# Altium PCB HIL_RIG_REV_1_2.PcbDoc (part 2 of 14) (continued)
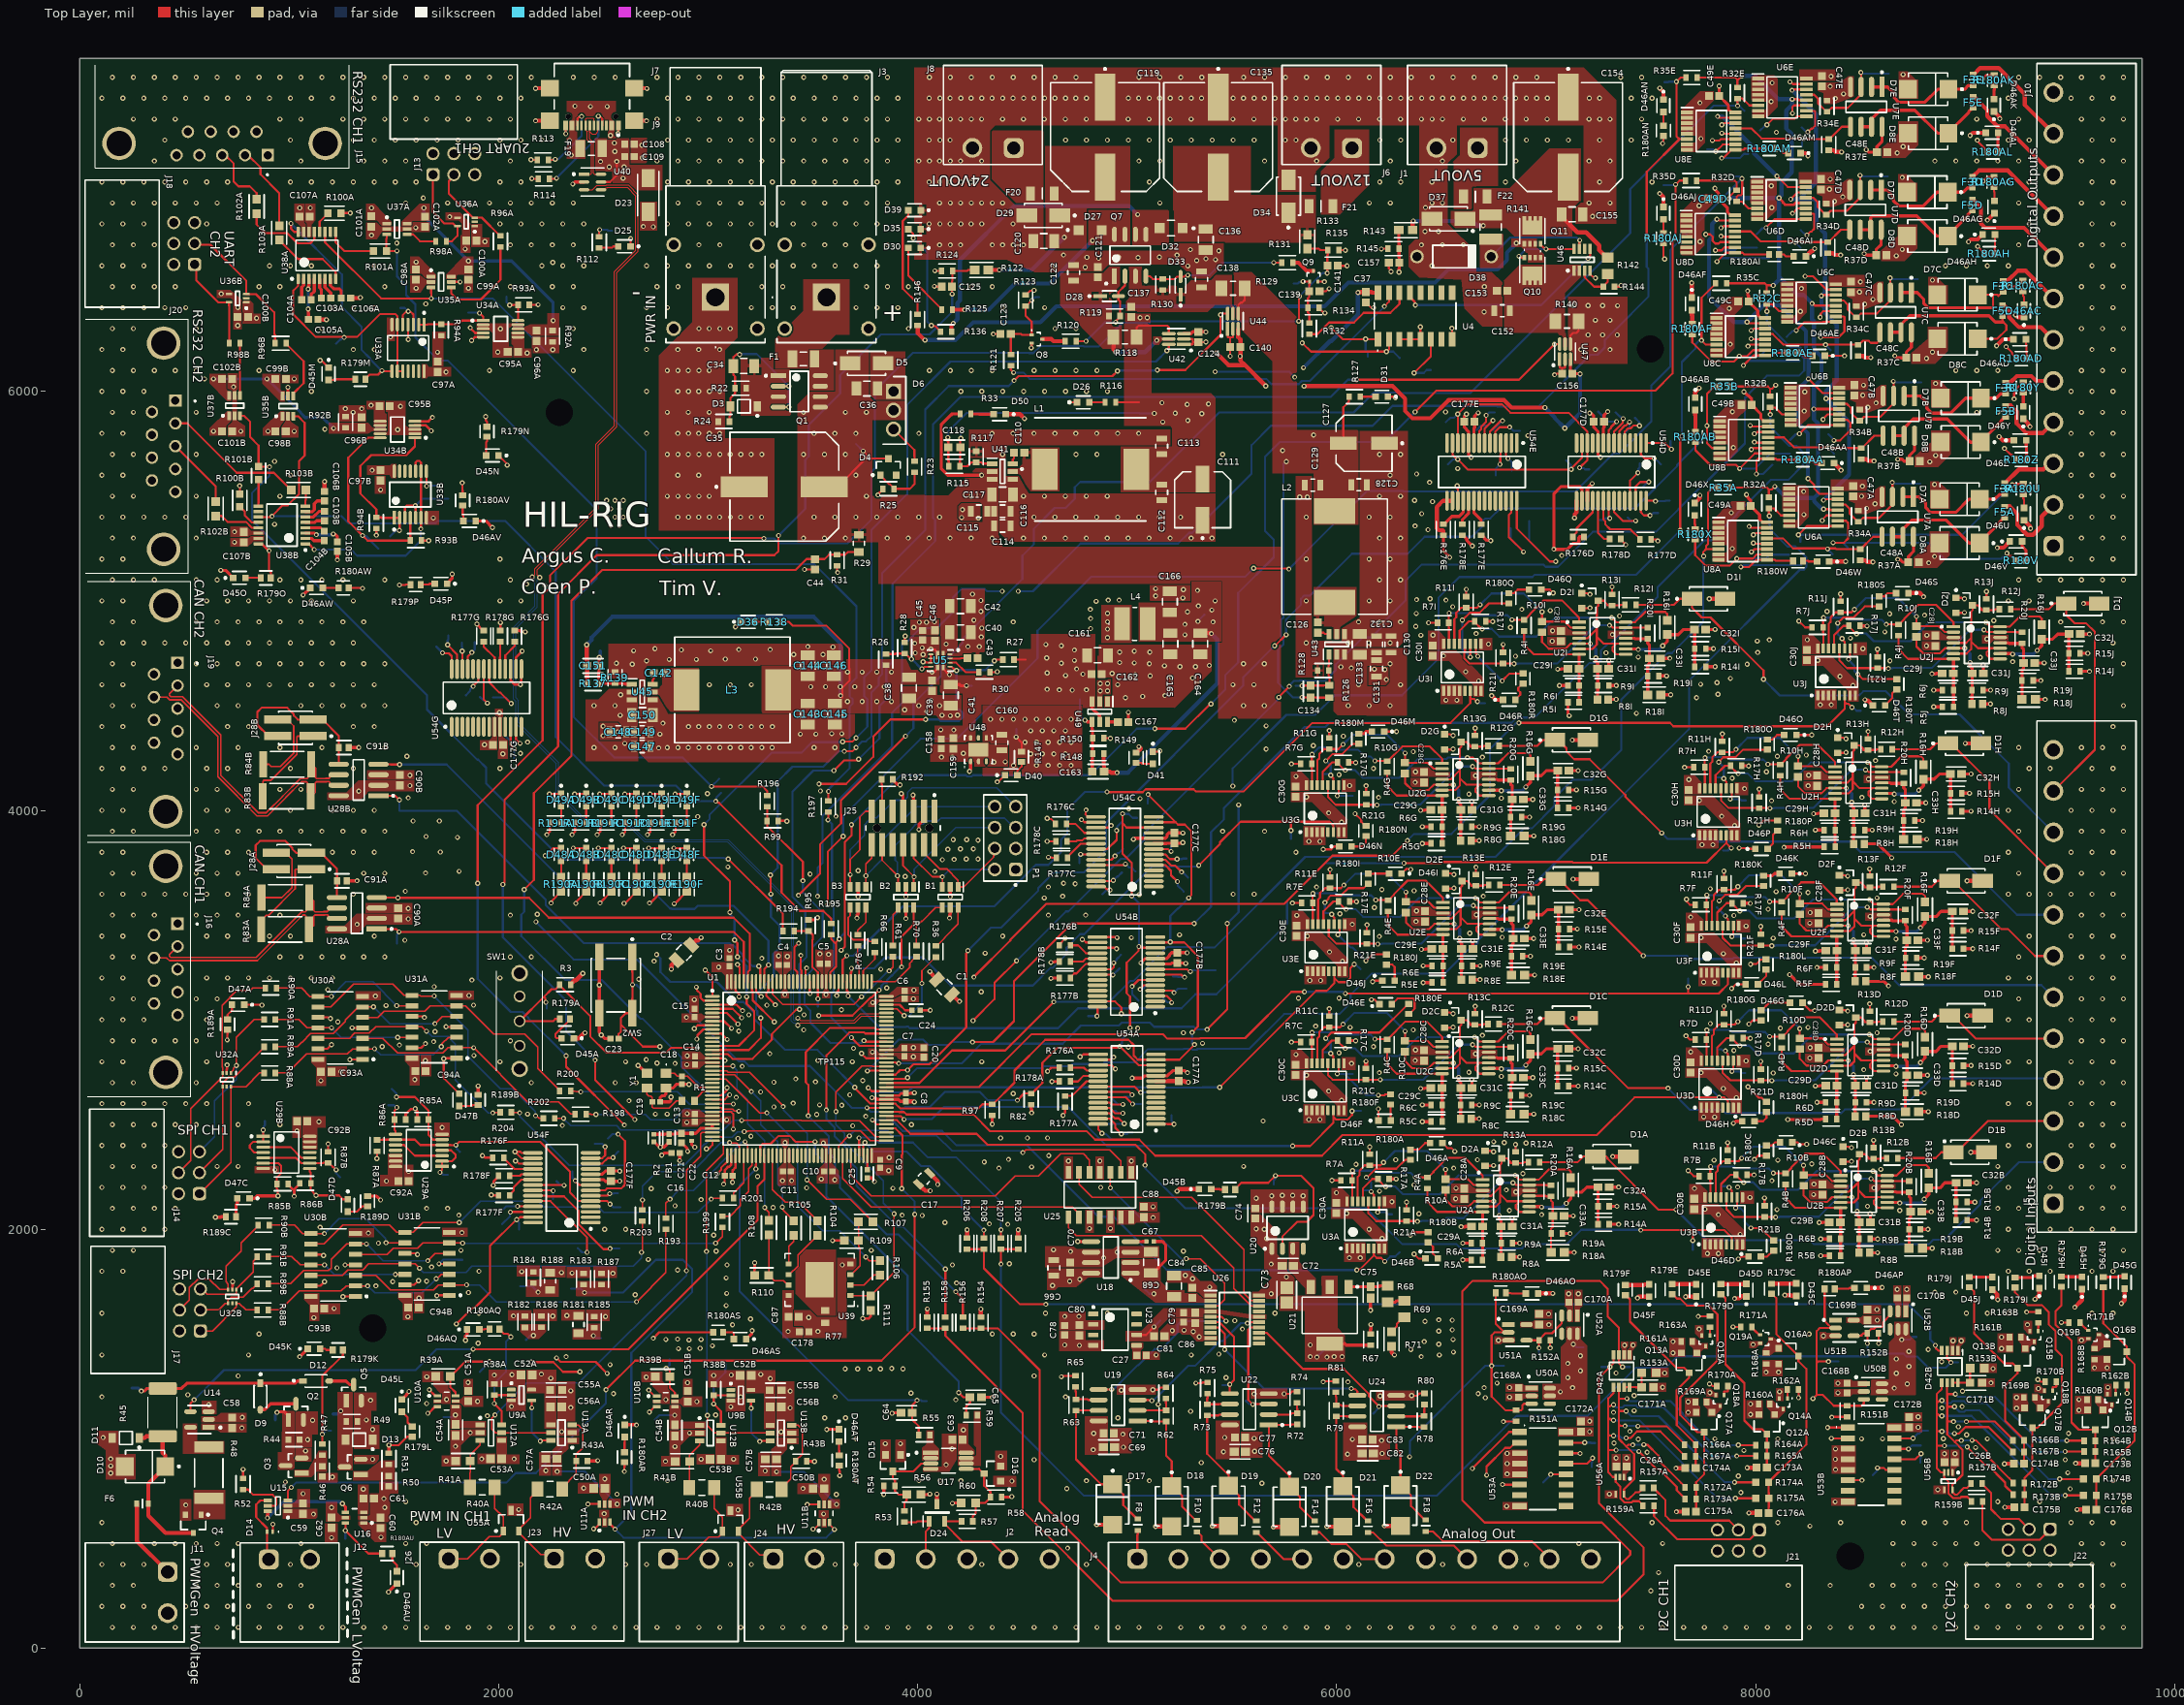
[diagram p0: Top Layer view]
## Components (designator, comment, footprint, x,y, rotation, side; value= is the part's Value field where it differs from the comment) (continued)
D42A "PCA9306DCTT" SOP65P400X130-8N 7359.61,1323.23 r270 top (schematic designator D42)
D42B "PCA9306DCTT" SOP65P400X130-8N 8927.22,1344.23 r270 top (schematic designator D42)
D45A "LTST-C193KGKT-5A" FP-LTST-C193KGKT-5A-MFG 2329.53,2912 r180 top (schematic designator D45)
D45B "LTST-C193KGKT-5A" FP-LTST-C193KGKT-5A-MFG 5371.53,2192 r0 top (schematic designator D45)
D45C "LTST-C193KGKT-5A" FP-LTST-C193KGKT-5A-MFG 8194,1712 r90 top (schematic designator D45)
D45D "LTST-C193KGKT-5A" FP-LTST-C193KGKT-5A-MFG 7956,1709.53 r90 top (schematic designator D45)
D45E "LTST-C193KGKT-5A" FP-LTST-C193KGKT-5A-MFG 7716,1708.47 r90 top (schematic designator D45)
D45F "LTST-C193KGKT-5A" FP-LTST-C193KGKT-5A-MFG 7492,1707.53 r90 top (schematic designator D45)
D45G "LTST-C193KGKT-5A" FP-LTST-C193KGKT-5A-MFG 9762,1746 r90 top (schematic designator D45)
D45H "LTST-C193KGKT-5A" FP-LTST-C193KGKT-5A-MFG 9558,1744 r90 top (schematic designator D45)
D45I "LTST-C193KGKT-5A" FP-LTST-C193KGKT-5A-MFG 9354,1748 r90 top (schematic designator D45)
D45J "LTST-C193KGKT-5A" FP-LTST-C193KGKT-5A-MFG 9130,1742 r90 top (schematic designator D45)
D45K "LTST-C193KGKT-5A" FP-LTST-C193KGKT-5A-MFG 1118,1430 r0 top (schematic designator D45)
D45L "LTST-C193KGKT-5A" FP-LTST-C193KGKT-5A-MFG 1538,1158.47 r270 top (schematic designator D45)
D45M "LTST-C193KGKT-5A" FP-LTST-C193KGKT-5A-MFG 1188,6084 r270 top (schematic designator D45)
D45N "LTST-C193KGKT-5A" FP-LTST-C193KGKT-5A-MFG 1970,5694 r180 top (schematic designator D45)
D45O "LTST-C193KGKT-5A" FP-LTST-C193KGKT-5A-MFG 762,5110 r0 top (schematic designator D45)
D45P "LTST-C193KGKT-5A" FP-LTST-C193KGKT-5A-MFG 1724,5082 r180 top (schematic designator D45)
D46A "LTST-C193KFKT-5A" FP-LTST-C193KGKT-5A-MFG 6475.53,2412 r180 top (schematic designator D46)
D46AA "LTST-C193KFKT-5A" FP-LTST-C193KGKT-5A-MFG 8344.47,5658 r180 top (schematic designator D46)
D46AB "LTST-C193KFKT-5A" FP-LTST-C193KGKT-5A-MFG 7712,5940.47 r270 top (schematic designator D46)
D46AC "LTST-C193KFKT-5A" FP-LTST-C193KGKT-5A-MFG 9280.94,6384.19 r90 top (schematic designator D46)
D46AD "LTST-C193KFKT-5A" FP-LTST-C193KGKT-5A-MFG 9260.61,6248.97 r0 top (schematic designator D46)
D46AE "LTST-C193KFKT-5A" FP-LTST-C193KGKT-5A-MFG 8301.53,6170 r180 top (schematic designator D46)
D46AF "LTST-C193KFKT-5A" FP-LTST-C193KGKT-5A-MFG 7695.79,6417.95 r270 top (schematic designator D46)
D46AG "LTST-C193KFKT-5A" FP-LTST-C193KGKT-5A-MFG 9140.2,6880.51 r90 top (schematic designator D46)
D46AH "LTST-C193KFKT-5A" FP-LTST-C193KGKT-5A-MFG 9113.12,6749.29 r0 top (schematic designator D46)
D46AI "LTST-C193KFKT-5A" FP-LTST-C193KGKT-5A-MFG 8210.98,6645.45 r180 top (schematic designator D46)
D46AJ "LTST-C193KFKT-5A" FP-LTST-C193KGKT-5A-MFG 7560,6851.37 r270 top (schematic designator D46)
D46AK "LTST-C193KFKT-5A" FP-LTST-C193KGKT-5A-MFG 9137.67,7366.05 r90 top (schematic designator D46)
D46AL "LTST-C193KFKT-5A" FP-LTST-C193KGKT-5A-MFG 9128.19,7234.83 r0 top (schematic designator D46)
D46AM "LTST-C193KFKT-5A" FP-LTST-C193KGKT-5A-MFG 8185.53,7138 r180 top (schematic designator D46)
D46AN "LTST-C193KFKT-5A" FP-LTST-C193KGKT-5A-MFG 7560,7363.95 r270 top (schematic designator D46)
D46AO "LTST-C193KFKT-5A" FP-LTST-C193KGKT-5A-MFG 6932.47,1694 r180 top (schematic designator D46)
D46AP "LTST-C193KFKT-5A" FP-LTST-C193KGKT-5A-MFG 8501.53,1720 r180 top (schematic designator D46)
D46AQ "LTST-C193KFKT-5A" FP-LTST-C193KGKT-5A-MFG 1878,1522 r0 top (schematic designator D46)
D46AR "LTST-C193KFKT-5A" FP-LTST-C193KGKT-5A-MFG 2602,1037.53 r270 top (schematic designator D46)
D46AS "LTST-C193KFKT-5A" FP-LTST-C193KGKT-5A-MFG 3152,1476 r180 top (schematic designator D46)
D46AT "LTST-C193KFKT-5A" FP-LTST-C193KGKT-5A-MFG 3624,1016 r270 top (schematic designator D46)
D46AU "LTST-C193KFKT-5A" FP-LTST-C193KGKT-5A-MFG 1514,338 r90 top (schematic designator D46)
D46AV "LTST-C193KFKT-5A" FP-LTST-C193KGKT-5A-MFG 1860.47,5382 r180 top (schematic designator D46)
D46AW "LTST-C193KFKT-5A" FP-LTST-C193KGKT-5A-MFG 1130.47,5062 r0 top (schematic designator D46)
D46B "LTST-C193KFKT-5A" FP-LTST-C193KGKT-5A-MFG 6453.56,1860.75 r0 top (schematic designator D46)
D46C "LTST-C193KFKT-5A" FP-LTST-C193KGKT-5A-MFG 8146,2416 r180 top (schematic designator D46)
D46D "LTST-C193KFKT-5A" FP-LTST-C193KGKT-5A-MFG 7996,1870 r0 top (schematic designator D46)
D46E "LTST-C193KFKT-5A" FP-LTST-C193KGKT-5A-MFG 6233.45,3074.21 r0 top (schematic designator D46)
D46F "LTST-C193KFKT-5A" FP-LTST-C193KGKT-5A-MFG 6228.76,2518.73 r0 top (schematic designator D46)
D46G "LTST-C193KFKT-5A" FP-LTST-C193KGKT-5A-MFG 8194,3082 r180 top (schematic designator D46)
D46H "LTST-C193KFKT-5A" FP-LTST-C193KGKT-5A-MFG 7966,2516 r0 top (schematic designator D46)
D46I "LTST-C193KFKT-5A" FP-LTST-C193KGKT-5A-MFG 6280.47,3698 r180 top (schematic designator D46)
D46J "LTST-C193KFKT-5A" FP-LTST-C193KGKT-5A-MFG 6247.5,3187.05 r0 top (schematic designator D46)
D46K "LTST-C193KFKT-5A" FP-LTST-C193KGKT-5A-MFG 8143.53,3698 r180 top (schematic designator D46)
D46L "LTST-C193KFKT-5A" FP-LTST-C193KGKT-5A-MFG 7982,3170 r0 top (schematic designator D46)
D46M "LTST-C193KFKT-5A" FP-LTST-C193KGKT-5A-MFG 6198,4376 r180 top (schematic designator D46)
D46N "LTST-C193KFKT-5A" FP-LTST-C193KGKT-5A-MFG 6042,3828 r0 top (schematic designator D46)
D46O "LTST-C193KFKT-5A" FP-LTST-C193KGKT-5A-MFG 8166,4360 r180 top (schematic designator D46)
D46P "LTST-C193KFKT-5A" FP-LTST-C193KGKT-5A-MFG 8028,3816 r0 top (schematic designator D46)
D46Q "LTST-C193KFKT-5A" FP-LTST-C193KGKT-5A-MFG 6947.53,5054 r180 top (schematic designator D46)
D46R "LTST-C193KFKT-5A" FP-LTST-C193KGKT-5A-MFG 6823.53,4528 r0 top (schematic designator D46)
D46S "LTST-C193KFKT-5A" FP-LTST-C193KGKT-5A-MFG 8700.55,5037.44 r180 top (schematic designator D46)
D46T "LTST-C193KFKT-5A" FP-LTST-C193KGKT-5A-MFG 8589.09,4501.23 r0 top (schematic designator D46)
D46U "LTST-C193KFKT-5A" FP-LTST-C193KGKT-5A-MFG 9280.94,5414.87 r90 top (schematic designator D46)
D46V "LTST-C193KFKT-5A" FP-LTST-C193KGKT-5A-MFG 9243.08,5283.65 r0 top (schematic designator D46)
D46W "LTST-C193KFKT-5A" FP-LTST-C193KGKT-5A-MFG 8322.47,5188 r180 top (schematic designator D46)
D46X "LTST-C193KFKT-5A" FP-LTST-C193KGKT-5A-MFG 7709.73,5437.49 r270 top (schematic designator D46)
D46Y "LTST-C193KFKT-5A" FP-LTST-C193KGKT-5A-MFG 9278.02,5899.08 r90 top (schematic designator D46)
D46Z "LTST-C193KFKT-5A" FP-LTST-C193KGKT-5A-MFG 9262.24,5766.58 r0 top (schematic designator D46)
D47A "LTST-C193KGKT-5A" FP-LTST-C193KGKT-5A-MFG 756,3072 r180 top (schematic designator D47)
D47B "LTST-C193KGKT-5A" FP-LTST-C193KGKT-5A-MFG 1812,2618 r270 top (schematic designator D47)
D47C "LTST-C193KGKT-5A" FP-LTST-C193KGKT-5A-MFG 782,2148 r180 top (schematic designator D47)
D47D "LTST-C193KGKT-5A" FP-LTST-C193KGKT-5A-MFG 1280,2114 r270 top (schematic designator D47)
D48A "LTST-C193KRKT-5A" FP-LTST-C193KRKT-5A-MFG 2298,3789.53 r270 top (schematic designator D48)
D48B "LTST-C193KRKT-5A" FP-LTST-C193KRKT-5A-MFG 2418,3789.53 r270 top (schematic designator D48)
D48C "LTST-C193KRKT-5A" FP-LTST-C193KRKT-5A-MFG 2538,3789.53 r270 top (schematic designator D48)
D48D "LTST-C193KRKT-5A" FP-LTST-C193KRKT-5A-MFG 2658,3789.53 r270 top (schematic designator D48)
D48E "LTST-C193KRKT-5A" FP-LTST-C193KRKT-5A-MFG 2778,3789.53 r270 top (schematic designator D48)
D48F "LTST-C193KRKT-5A" FP-LTST-C193KRKT-5A-MFG 2898,3789.53 r270 top (schematic designator D48)
D49A "LTST-C193TBKT-5A" FP-LTST-C193TBKT-5A-MFG 2298,4049.53 r270 top (schematic designator D49)
D49B "LTST-C193TBKT-5A" FP-LTST-C193TBKT-5A-MFG 2418,4049.53 r270 top (schematic designator D49)
D49C "LTST-C193TBKT-5A" FP-LTST-C193TBKT-5A-MFG 2538,4049.53 r270 top (schematic designator D49)
D49D "LTST-C193TBKT-5A" FP-LTST-C193TBKT-5A-MFG 2658,4049.53 r270 top (schematic designator D49)
D49E "LTST-C193TBKT-5A" FP-LTST-C193TBKT-5A-MFG 2778,4049.53 r270 top (schematic designator D49)
D49F "LTST-C193TBKT-5A" FP-LTST-C193TBKT-5A-MFG 2898,4049.53 r270 top (schematic designator D49)
D50 "LTST-C193KSKT-5A" FP-LTST-C193KGKT-5A-MFG 4391.44,5891.29 r180 top
F1 "0466002.NRHF" FP-0466-MFG 3455,6155 r0 top value=30mΩ
F3A "0ZCM0001FF2G" FP-0ZCM0001FF2G-MFG#1 9188.87,5536.09 r90 top value=15Ω (schematic designator F3)
F3B "0ZCM0001FF2G" FP-0ZCM0001FF2G-MFG#1 9194.06,6016.53 r90 top value=15Ω (schematic designator F3)
F3C "0ZCM0001FF2G" FP-0ZCM0001FF2G-MFG#1 9182,6502.44 r90 top value=15Ω (schematic designator F3)
F3D "0ZCM0001FF2G" FP-0ZCM0001FF2G-MFG#1 9034.88,6999.81 r90 top value=15Ω (schematic designator F3)
F3E "0ZCM0001FF2G" FP-0ZCM0001FF2G-MFG#1 9038.77,7487.84 r90 top value=15Ω (schematic designator F3)
F5A "0ZCM0001FF2G" FP-0ZCM0001FF2G-MFG#1 9188.87,5424.14 r90 top value=15Ω (schematic designator F5)
F5B "0ZCM0001FF2G" FP-0ZCM0001FF2G-MFG#1 9194.06,5905.11 r90 top value=15Ω (schematic designator F5)
F5C "0ZCM0001FF2G" FP-0ZCM0001FF2G-MFG#1 9178.88,6385.54 r90 top value=15Ω (schematic designator F5)
F5D "0ZCM0001FF2G" FP-0ZCM0001FF2G-MFG#1 9034.88,6890 r90 top value=15Ω (schematic designator F5)
F5E "0ZCM0001FF2G" FP-0ZCM0001FF2G-MFG#1 9038.77,7379.54 r90 top value=15Ω (schematic designator F5)
F6 "0ZCM0001FF2G" FP-0ZCM0001FF2G-MFG#2 300,690 r180 top value=15Ω
F8 "0ZCM0001FF2G" FP-0ZCM0001FF2G-MFG#1 5051,590.2 r270 top value=15Ω
F10 "0ZCM0001FF2G" FP-0ZCM0001FF2G-MFG#1 5333,582.2 r270 top value=15Ω
F12 "0ZCM0001FF2G" FP-0ZCM0001FF2G-MFG#1 5616,580 r270 top value=15Ω
F14 "0ZCM0001FF2G" FP-0ZCM0001FF2G-MFG#1 5895,581.2 r270 top value=15Ω
F16 "0ZCM0001FF2G" FP-0ZCM0001FF2G-MFG#1 6150,581.08 r270 top value=15Ω
F18 "0ZCM0001FF2G" FP-0ZCM0001FF2G-MFG#1 6425,585.2 r270 top value=15Ω
F19 "0466001.NRHF" FP-0466-MFG 2442,7160 r0 top
F20 "SF-1206FP150-2" FUSC3116X70N 4595,6945 r180 top
F21 "SF-1206FP150-2" FUSC3116X70N 5926,6884 r0 top
F22 "SF-1206FP150-2" FUSC3116X70N 6662,6930 r180 top
FB1 "BLM15AG121SH1D" FP-BLM15-0_05-IPC_A 2813.07,2435.95 r270 top
J1 "691313710002" 691313710002 6575,7320 r180 top
J2 "691313710005" 691313710005 4236,268.52 r0 top locked
J3 "FCR7350R" FCR7350R 3565,6449.61 r270 top
J4 "691313710012" 691313710012 6131.02,268.52 r0 top locked
J5 "691313710012" 691313710012 9579.48,3206.43 r90 top locked
J6 "691313710002" 691313710002 5975,7320 r180 top
J7 "FCR7350B" FCR7350B 3035,6449.61 r270 top
J8 "691313710002" 691313710002 4359.53,7320 r180 top
J9 "USB4110-GF-A" FP-USB4110-GF-A-MFG 2445,7415 r180 top
J10 "691313710012" 691313710012 9579.48,6345.02 r90 top locked
J11 "691313710002" 691313710002 262.52,266.43 r270 top locked
J12 "691313710002" 691313710002 1001.57,266.52 r0 top locked
J13 "61200621721" 61200621721 1786,7382 r180 top locked
J14 "61200621721" 61200621721 225,2270 r270 top
J15 "A-DS_09_A_KG-T2S" ASSMANN_A-DS_09_A_KG-T2S 680.07,7184 r180 top locked
J16 "A-DS_09_A_KG-T2S" ASSMANN_A-DS_09_A_KG-T2S 410.91,3241.42 r270 top
J17 "61200621721" 61200621721 230,1615 r270 top
J18 "61200621721" 61200621721 202,6706 r270 top locked
J19 "A-DS_09_A_KG-T2S" ASSMANN_A-DS_09_A_KG-T2S 410.91,4486.42 r270 top
J20 "A-DS_09_A_KG-T2S" ASSMANN_A-DS_09_A_KG-T2S 400.91,5738.58 r270 top
J21 "61200621721" 61200621721 7918,218 r0 top
J22 "61200621721" 61200621721 9306,221.35 r0 top
J23 "691313710002" 691313710002 2362.43,270.52 r0 top locked
J24 "691313710002" 691313710002 3409.69,269.04 r0 top locked
J25 "FTSH-107-01-L-DV-K-A" FP-FTSH-107-01-L-DV-K-A-MFG 3930.4,3915.64 r180 top
J26 "691313710002" 691313710002 1860,270 r0 top locked
J27 "691313710002" 691313710002 2907.26,268.52 r0 top locked
J28A "TMM-102-01-T-D-SM" FP-TMM-102-01-T-D-SM-MFG 1022.15,3758 r90 top (schematic designator J28)
J28B "TMM-102-01-T-D-SM" FP-TMM-102-01-T-D-SM-MFG 1030.15,4394 r90 top (schematic designator J28)
L1 "SRP1265A-330M" SRP1265A 4825,5628 r0 top
L2 "SRP1265A-220M" FP-SRP1265A-MFG 5990.47,5211.1 r90 top value=22µH
L3 "SRP1265A-220M" FP-SRP1265A-MFG 3115.39,4575 r0 top value=22µH
L4 "VLS4015CX-4R7M-H" VLS4015CX100MH 5037.51,4890.4 r0 top
P1 "61300821121" 61300821121 4418,3868 r90 top
Q1 "SI4948BEY-T1-E3" FP-C-06527-IPC_B 3435,6000 r0 top
Q2 "DMP3099L-7" FP-SOT23-IPC_A 1031.98,1128.45 r90 top
Q3 "MMBT3904-7-F" FP-SOT23-IPC_A 1021.55,872.02 r180 top
Q4 "BSS316NH6327XTSA1" INF-PG-SOT23_L 542,594 r270 top
Q5 "DMP3099L-7" FP-SOT23-IPC_A 1307.98,1220.45 r90 top
Q6 "MMBT3904-7-F" FP-SOT23-IPC_A 1303.55,866.02 r180 top
Q7 "SI4948BEY-T1-E3" FP-C-06527-IPC_B 5014.53,6650 r90 top
Q8 "MMBT3904TT1G" ONSC-SC-75-3-463-01_V 4570,6250 r0 top
Q9 "MMBT3904TT1G" ONSC-SC-75-3-463-01_V 5890,6550 r90 top
Q10 "DMT69M8LFV-7" DMP3036SFV7 6934.53,6580 r180 top
Q11 "DMT69M8LFV-7" DMP3036SFV7 6934.53,6765 r0 top
Q12A "AO3401A" AO-SOT-23-3L_V 8054,1069.24 r270 top (schematic designator Q12)
Q12B "AO3401A" AO-SOT-23-3L_V 9621.6,1090.24 r270 top (schematic designator Q12)
Q13A "AO3401A" AO-SOT-23-3L_V 7682.6,1362.76 r270 top (schematic designator Q13)
Q13B "AO3401A" AO-SOT-23-3L_V 9250.2,1383.76 r270 top (schematic designator Q13)
Q14A "MMBT3904TT1G" ONSC-SC-75-3-463-01_V 8132,1167.49 r270 top (schematic designator Q14)
Q14B "MMBT3904TT1G" ONSC-SC-75-3-463-01_V 9699.6,1188.49 r270 top (schematic designator Q14)
Q15A "MMBT3904TT1G" ONSC-SC-75-3-463-01_V 7762,1467.49 r270 top (schematic designator Q15)
Q15B "MMBT3904TT1G" ONSC-SC-75-3-463-01_V 9329.6,1488.49 r270 top (schematic designator Q15)
Q16A "AO3401A" AO-SOT-23-3L_V 8157.24,1394.6 r0 top (schematic designator Q16)
Q16B "AO3401A" AO-SOT-23-3L_V 9724.85,1415.6 r0 top (schematic designator Q16)
Q17A "AO3401A" AO-SOT-23-3L_V 7754,1079.24 r270 top (schematic designator Q17)
Q17B "AO3401A" AO-SOT-23-3L_V 9321.6,1100.24 r270 top (schematic designator Q17)
Q18A "MMBT3904TT1G" ONSC-SC-75-3-463-01_V 7830.32,1182.51 r270 top (schematic designator Q18)
Q18B "MMBT3904TT1G" ONSC-SC-75-3-463-01_V 9397.92,1203.51 r270 top (schematic designator Q18)
Q19A "MMBT3904TT1G" ONSC-SC-75-3-463-01_V 8046.51,1476 r0 top (schematic designator Q19)
Q19B "MMBT3904TT1G" ONSC-SC-75-3-463-01_V 9614.11,1497 r0 top (schematic designator Q19)
R1 "Resistor 0R +/- 5% 0603 100 mW" RESC1608X55X25ML10T15 2905.07,2613.95 r0 top value=0
R2 "MCS04020Z0000ZE000" FP-MCS0402-IPC_B 2741.07,2435.95 r270 top value=0
R3 "RT0603BRD0710KL" FP-RT0603-IPC_C 2317.09,3168.01 r180 top value=10k
R4A "RT0603BRE07300KL" FP-RT0603-IPC_C 6434,2220.82 r90 top value=300k (schematic designator R4)
R4B "RT0603BRE07300KL" FP-RT0603-IPC_C 8143,2240.82 r90 top value=300k (schematic designator R4)
R4C "RT0603BRE07300KL" FP-RT0603-IPC_C 6241,2880.82 r90 top value=300k (schematic designator R4)
R4D "RT0603BRE07300KL" FP-RT0603-IPC_C 8125,2892.82 r90 top value=300k (schematic designator R4)
R4E "RT0603BRE07300KL" FP-RT0603-IPC_C 6245,3544.82 r90 top value=300k (schematic designator R4)
R4F "RT0603BRE07300KL" FP-RT0603-IPC_C 8125,3536.82 r90 top value=300k (schematic designator R4)
R4G "RT0603BRE07300KL" FP-RT0603-IPC_C 6241,4208.82 r90 top value=300k (schematic designator R4)
R4H "RT0603BRE07300KL" FP-RT0603-IPC_C 8117,4192.82 r90 top value=300k (schematic designator R4)
R4I "RT0603BRE07300KL" FP-RT0603-IPC_C 6895,4882.82 r90 top value=300k (schematic designator R4)
R4J "RT0603BRE07300KL" FP-RT0603-IPC_C 8682,4860.82 r90 top value=300k (schematic designator R4)
R5A "RT0603BRD07240KL" FP-RT0603-IPC_C 6670.13,1854 r0 top value=240k (schematic designator R5)
R5B "RT0603BRD07240KL" FP-RT0603-IPC_C 8379.13,1874 r0 top value=240k (schematic designator R5)
R5C "RT0603BRD07240KL" FP-RT0603-IPC_C 6477.13,2514 r0 top value=240k (schematic designator R5)
R5D "RT0603BRD07240KL" FP-RT0603-IPC_C 8361.13,2526 r0 top value=240k (schematic designator R5)
R5E "RT0603BRD07240KL" FP-RT0603-IPC_C 6481.13,3178 r0 top value=240k (schematic designator R5)
R5F "RT0603BRD07240KL" FP-RT0603-IPC_C 8361.13,3170 r0 top value=240k (schematic designator R5)
R5G "RT0603BRD07240KL" FP-RT0603-IPC_C 6477.13,3842 r0 top value=240k (schematic designator R5)
R5H "RT0603BRD07240KL" FP-RT0603-IPC_C 8353.13,3826 r0 top value=240k (schematic designator R5)
R5I "RT0603BRD07240KL" FP-RT0603-IPC_C 7131.13,4516 r0 top value=240k (schematic designator R5)
R5J "RT0603BRD07240KL" FP-RT0603-IPC_C 8918.13,4494 r0 top value=240k (schematic designator R5)
R6A "RT0603BRD079K1L" FP-RT0603-IPC_C 6670.13,1934 r0 top value=9.1k (schematic designator R6)
R6B "RT0603BRD079K1L" FP-RT0603-IPC_C 8379.13,1954 r0 top value=9.1k (schematic designator R6)
R6C "RT0603BRD079K1L" FP-RT0603-IPC_C 6477.13,2594 r0 top value=9.1k (schematic designator R6)
R6D "RT0603BRD079K1L" FP-RT0603-IPC_C 8361.13,2606 r0 top value=9.1k (schematic designator R6)
R6E "RT0603BRD079K1L" FP-RT0603-IPC_C 6481.13,3258 r0 top value=9.1k (schematic designator R6)
R6F "RT0603BRD079K1L" FP-RT0603-IPC_C 8361.13,3250 r0 top value=9.1k (schematic designator R6)
R6G "RT0603BRD079K1L" FP-RT0603-IPC_C 6477.13,3922 r0 top value=9.1k (schematic designator R6)
R6H "RT0603BRD079K1L" FP-RT0603-IPC_C 8353.13,3906 r0 top value=9.1k (schematic designator R6)
R6I "RT0603BRD079K1L" FP-RT0603-IPC_C 7131.13,4596 r0 top value=9.1k (schematic designator R6)
R6J "RT0603BRD079K1L" FP-RT0603-IPC_C 8918.13,4574 r0 top value=9.1k (schematic designator R6)
R7A "RT0603BRD0710KL" FP-RT0603-IPC_C 6047.74,2233.77 r180 top value=10k (schematic designator R7)
R7B "RT0603BRD0710KL" FP-RT0603-IPC_C 7756.74,2253.77 r180 top value=10k (schematic designator R7)
R7C "RT0603BRD0710KL" FP-RT0603-IPC_C 5854.74,2893.77 r180 top value=10k (schematic designator R7)
R7D "RT0603BRD0710KL" FP-RT0603-IPC_C 7738.74,2905.77 r180 top value=10k (schematic designator R7)
R7E "RT0603BRD0710KL" FP-RT0603-IPC_C 5858.74,3557.77 r180 top value=10k (schematic designator R7)
R7F "RT0603BRD0710KL" FP-RT0603-IPC_C 7738.74,3549.77 r180 top value=10k (schematic designator R7)
R7G "RT0603BRD0710KL" FP-RT0603-IPC_C 5854.74,4221.77 r180 top value=10k (schematic designator R7)
R7H "RT0603BRD0710KL" FP-RT0603-IPC_C 7730.74,4205.77 r180 top value=10k (schematic designator R7)
R7I "RT0603BRD0710KL" FP-RT0603-IPC_C 6508.74,4895.77 r180 top value=10k (schematic designator R7)
R7J "RT0603BRD0710KL" FP-RT0603-IPC_C 8295.74,4873.77 r180 top value=10k (schematic designator R7)
R8A "ERA-3AEB184V" RESC1608X55X30NL20T20 6810.13,1868 r180 top value=180k (schematic designator R8)
R8B "ERA-3AEB184V" RESC1608X55X30NL20T20 8519.13,1888 r180 top value=180k (schematic designator R8)
R8C "ERA-3AEB184V" RESC1608X55X30NL20T20 6617.13,2528 r180 top value=180k (schematic designator R8)
R8D "ERA-3AEB184V" RESC1608X55X30NL20T20 8501.13,2540 r180 top value=180k (schematic designator R8)
R8E "ERA-3AEB184V" RESC1608X55X30NL20T20 6621.13,3192 r180 top value=180k (schematic designator R8)
R8F "ERA-3AEB184V" RESC1608X55X30NL20T20 8501.13,3184 r180 top value=180k (schematic designator R8)
R8G "ERA-3AEB184V" RESC1608X55X30NL20T20 6617.13,3856 r180 top value=180k (schematic designator R8)
R8H "ERA-3AEB184V" RESC1608X55X30NL20T20 8493.13,3840 r180 top value=180k (schematic designator R8)
R8I "ERA-3AEB184V" RESC1608X55X30NL20T20 7271.13,4530 r180 top value=180k (schematic designator R8)
R8J "ERA-3AEB184V" RESC1608X55X30NL20T20 9058.13,4508 r180 top value=180k (schematic designator R8)
R9A "RT0603BRD0710KL" FP-RT0603-IPC_C 6812.13,1934 r0 top value=10k (schematic designator R9)
R9B "RT0603BRD0710KL" FP-RT0603-IPC_C 8521.13,1954 r0 top value=10k (schematic designator R9)
R9C "RT0603BRD0710KL" FP-RT0603-IPC_C 6619.13,2594 r0 top value=10k (schematic designator R9)
R9D "RT0603BRD0710KL" FP-RT0603-IPC_C 8503.13,2606 r0 top value=10k (schematic designator R9)
R9E "RT0603BRD0710KL" FP-RT0603-IPC_C 6623.13,3258 r0 top value=10k (schematic designator R9)
R9F "RT0603BRD0710KL" FP-RT0603-IPC_C 8503.13,3250 r0 top value=10k (schematic designator R9)
R9G "RT0603BRD0710KL" FP-RT0603-IPC_C 6619.13,3922 r0 top value=10k (schematic designator R9)
R9H "RT0603BRD0710KL" FP-RT0603-IPC_C 8495.13,3906 r0 top value=10k (schematic designator R9)
R9I "RT0603BRD0710KL" FP-RT0603-IPC_C 7273.13,4596 r0 top value=10k (schematic designator R9)
R9J "RT0603BRD0710KL" FP-RT0603-IPC_C 9060.13,4574 r0 top value=10k (schematic designator R9)
R10A "ERA-3AEB184V" RESC1608X55X30NL20T20 6519.89,2213.79 r90 top value=180k (schematic designator R10)
R10B "ERA-3AEB184V" RESC1608X55X30NL20T20 8228.89,2233.79 r90 top value=180k (schematic designator R10)
R10C "ERA-3AEB184V" RESC1608X55X30NL20T20 6326.89,2873.79 r90 top value=180k (schematic designator R10)
R10D "ERA-3AEB184V" RESC1608X55X30NL20T20 8210.89,2885.79 r90 top value=180k (schematic designator R10)
R10E "ERA-3AEB184V" RESC1608X55X30NL20T20 6330.89,3537.79 r90 top value=180k (schematic designator R10)
R10F "ERA-3AEB184V" RESC1608X55X30NL20T20 8210.89,3529.79 r90 top value=180k (schematic designator R10)
R10G "ERA-3AEB184V" RESC1608X55X30NL20T20 6326.89,4201.79 r90 top value=180k (schematic designator R10)
R10H "ERA-3AEB184V" RESC1608X55X30NL20T20 8202.89,4185.79 r90 top value=180k (schematic designator R10)
R10I "ERA-3AEB184V" RESC1608X55X30NL20T20 6980.89,4875.79 r90 top value=180k (schematic designator R10)
R10J "ERA-3AEB184V" RESC1608X55X30NL20T20 8767.89,4853.79 r90 top value=180k (schematic designator R10)
R11A "RT0603BRD0710KL" FP-RT0603-IPC_C 6157.89,2331.79 r90 top value=10k (schematic designator R11)
R11B "RT0603BRD0710KL" FP-RT0603-IPC_C 7866.89,2351.79 r90 top value=10k (schematic designator R11)
R11C "RT0603BRD0710KL" FP-RT0603-IPC_C 5964.89,2991.79 r90 top value=10k (schematic designator R11)
R11D "RT0603BRD0710KL" FP-RT0603-IPC_C 7848.89,3003.79 r90 top value=10k (schematic designator R11)
R11E "RT0603BRD0710KL" FP-RT0603-IPC_C 5968.89,3655.79 r90 top value=10k (schematic designator R11)
R11F "RT0603BRD0710KL" FP-RT0603-IPC_C 7848.89,3647.79 r90 top value=10k (schematic designator R11)
R11G "RT0603BRD0710KL" FP-RT0603-IPC_C 5964.89,4319.79 r90 top value=10k (schematic designator R11)
R11H "RT0603BRD0710KL" FP-RT0603-IPC_C 7840.89,4303.79 r90 top value=10k (schematic designator R11)
R11I "RT0603BRD0710KL" FP-RT0603-IPC_C 6618.89,4993.79 r90 top value=10k (schematic designator R11)
R11J "RT0603BRD0710KL" FP-RT0603-IPC_C 8405.89,4971.79 r90 top value=10k (schematic designator R11)
R12A "RT0603BRD0790K9L" FP-RT0603-IPC_C 6942.36,2319.79 r180 top value=90.9k (schematic designator R12)
R12B "RT0603BRD0790K9L" FP-RT0603-IPC_C 8651.36,2339.79 r180 top value=90.9k (schematic designator R12)
R12C "RT0603BRD0790K9L" FP-RT0603-IPC_C 6749.36,2979.79 r180 top value=90.9k (schematic designator R12)
R12D "RT0603BRD0790K9L" FP-RT0603-IPC_C 8633.36,2991.79 r180 top value=90.9k (schematic designator R12)
R12E "RT0603BRD0790K9L" FP-RT0603-IPC_C 6753.36,3643.79 r180 top value=90.9k (schematic designator R12)
R12F "RT0603BRD0790K9L" FP-RT0603-IPC_C 8633.36,3635.79 r180 top value=90.9k (schematic designator R12)
R12G "RT0603BRD0790K9L" FP-RT0603-IPC_C 6749.36,4307.79 r180 top value=90.9k (schematic designator R12)
R12H "RT0603BRD0790K9L" FP-RT0603-IPC_C 8625.36,4291.79 r180 top value=90.9k (schematic designator R12)
R12I "RT0603BRD0790K9L" FP-RT0603-IPC_C 7403.36,4981.79 r180 top value=90.9k (schematic designator R12)
R12J "RT0603BRD0790K9L" FP-RT0603-IPC_C 9190.36,4959.79 r180 top value=90.9k (schematic designator R12)
R13A "RT0603BRD0710KL" FP-RT0603-IPC_C 6854,2343.15 r270 top value=10k (schematic designator R13)
R13B "RT0603BRD0710KL" FP-RT0603-IPC_C 8563,2363.15 r270 top value=10k (schematic designator R13)
R13C "RT0603BRD0710KL" FP-RT0603-IPC_C 6661,3003.15 r270 top value=10k (schematic designator R13)
R13D "RT0603BRD0710KL" FP-RT0603-IPC_C 8545,3015.15 r270 top value=10k (schematic designator R13)
R13E "RT0603BRD0710KL" FP-RT0603-IPC_C 6665,3667.15 r270 top value=10k (schematic designator R13)
R13F "RT0603BRD0710KL" FP-RT0603-IPC_C 8545,3659.15 r270 top value=10k (schematic designator R13)
R13G "RT0603BRD0710KL" FP-RT0603-IPC_C 6661,4331.15 r270 top value=10k (schematic designator R13)
R13H "RT0603BRD0710KL" FP-RT0603-IPC_C 8537,4315.15 r270 top value=10k (schematic designator R13)
R13I "RT0603BRD0710KL" FP-RT0603-IPC_C 7315,5005.15 r270 top value=10k (schematic designator R13)
R13J "RT0603BRD0710KL" FP-RT0603-IPC_C 9102,4983.15 r270 top value=10k (schematic designator R13)
R14A "RT0603BRD0739K2L" FP-RT0603-IPC_C 7274.53,2023.79 r180 top value=39.2k (schematic designator R14)
R14B "RT0603BRD0739K2L" FP-RT0603-IPC_C 8983.53,2043.79 r180 top value=39.2k (schematic designator R14)
R14C "RT0603BRD0739K2L" FP-RT0603-IPC_C 7081.53,2683.79 r180 top value=39.2k (schematic designator R14)
R14D "RT0603BRD0739K2L" FP-RT0603-IPC_C 8965.53,2695.79 r180 top value=39.2k (schematic designator R14)
R14E "RT0603BRD0739K2L" FP-RT0603-IPC_C 7085.53,3347.79 r180 top value=39.2k (schematic designator R14)
R14F "RT0603BRD0739K2L" FP-RT0603-IPC_C 8965.53,3339.79 r180 top value=39.2k (schematic designator R14)
R14G "RT0603BRD0739K2L" FP-RT0603-IPC_C 7081.53,4011.79 r180 top value=39.2k (schematic designator R14)
R14H "RT0603BRD0739K2L" FP-RT0603-IPC_C 8957.53,3995.79 r180 top value=39.2k (schematic designator R14)
R14I "RT0603BRD0739K2L" FP-RT0603-IPC_C 7735.53,4685.79 r180 top value=39.2k (schematic designator R14)
R14J "RT0603BRD0739K2L" FP-RT0603-IPC_C 9522.53,4663.79 r180 top value=39.2k (schematic designator R14)
R15A "RT0603BRD0710KL" FP-RT0603-IPC_C 7274.53,2109.79 r0 top value=10k (schematic designator R15)
R15B "RT0603BRD0710KL" FP-RT0603-IPC_C 8983.53,2129.79 r0 top value=10k (schematic designator R15)
R15C "RT0603BRD0710KL" FP-RT0603-IPC_C 7081.53,2769.79 r0 top value=10k (schematic designator R15)
R15D "RT0603BRD0710KL" FP-RT0603-IPC_C 8965.53,2781.79 r0 top value=10k (schematic designator R15)
R15E "RT0603BRD0710KL" FP-RT0603-IPC_C 7085.53,3433.79 r0 top value=10k (schematic designator R15)
R15F "RT0603BRD0710KL" FP-RT0603-IPC_C 8965.53,3425.79 r0 top value=10k (schematic designator R15)
R15G "RT0603BRD0710KL" FP-RT0603-IPC_C 7081.53,4097.79 r0 top value=10k (schematic designator R15)
R15H "RT0603BRD0710KL" FP-RT0603-IPC_C 8957.53,4081.79 r0 top value=10k (schematic designator R15)
R15I "RT0603BRD0710KL" FP-RT0603-IPC_C 7735.53,4771.79 r0 top value=10k (schematic designator R15)
R15J "RT0603BRD0710KL" FP-RT0603-IPC_C 9522.53,4749.79 r0 top value=10k (schematic designator R15)
R16A "AT0603BRD07200KL" FP-AT0603-IPC_A 7117.89,2211.79 r90 top value=200k (schematic designator R16)
R16B "AT0603BRD07200KL" FP-AT0603-IPC_A 8826.89,2231.79 r90 top value=200k (schematic designator R16)
R16C "AT0603BRD07200KL" FP-AT0603-IPC_A 6924.89,2871.79 r90 top value=200k (schematic designator R16)
R16D "AT0603BRD07200KL" FP-AT0603-IPC_A 8808.89,2883.79 r90 top value=200k (schematic designator R16)
R16E "AT0603BRD07200KL" FP-AT0603-IPC_A 6928.89,3535.79 r90 top value=200k (schematic designator R16)
R16F "AT0603BRD07200KL" FP-AT0603-IPC_A 8808.89,3527.79 r90 top value=200k (schematic designator R16)
R16G "AT0603BRD07200KL" FP-AT0603-IPC_A 6924.89,4199.79 r90 top value=200k (schematic designator R16)
R16H "AT0603BRD07200KL" FP-AT0603-IPC_A 8800.89,4183.79 r90 top value=200k (schematic designator R16)
R16I "AT0603BRD07200KL" FP-AT0603-IPC_A 7578.89,4873.79 r90 top value=200k (schematic designator R16)
R16J "AT0603BRD07200KL" FP-AT0603-IPC_A 9365.89,4851.79 r90 top value=200k (schematic designator R16)
R17A "RT0603BRD0710KL" FP-RT0603-IPC_C 6224,2240.82 r0 top value=10k (schematic designator R17)
R17B "RT0603BRD0710KL" FP-RT0603-IPC_C 7933,2260.82 r0 top value=10k (schematic designator R17)
R17C "RT0603BRD0710KL" FP-RT0603-IPC_C 6031,2900.82 r0 top value=10k (schematic designator R17)
R17D "RT0603BRD0710KL" FP-RT0603-IPC_C 7915,2912.82 r0 top value=10k (schematic designator R17)
R17E "RT0603BRD0710KL" FP-RT0603-IPC_C 6035,3564.82 r0 top value=10k (schematic designator R17)
R17F "RT0603BRD0710KL" FP-RT0603-IPC_C 7915,3556.82 r0 top value=10k (schematic designator R17)
R17G "RT0603BRD0710KL" FP-RT0603-IPC_C 6031,4228.82 r0 top value=10k (schematic designator R17)
R17H "RT0603BRD0710KL" FP-RT0603-IPC_C 7907,4212.82 r0 top value=10k (schematic designator R17)
R17I "RT0603BRD0710KL" FP-RT0603-IPC_C 6685,4902.82 r0 top value=10k (schematic designator R17)
R17J "RT0603BRD0710KL" FP-RT0603-IPC_C 8472,4880.82 r0 top value=10k (schematic designator R17)
R18A "TNPW060324K0BEEA" FP-TNPW0603-e3-IPC_A 7055.67,1889.79 r180 top value=24k (schematic designator R18)
R18B "TNPW060324K0BEEA" FP-TNPW0603-e3-IPC_A 8764.67,1909.79 r180 top value=24k (schematic designator R18)
R18C "TNPW060324K0BEEA" FP-TNPW0603-e3-IPC_A 6862.67,2549.79 r180 top value=24k (schematic designator R18)
R18D "TNPW060324K0BEEA" FP-TNPW0603-e3-IPC_A 8746.67,2561.79 r180 top value=24k (schematic designator R18)
R18E "TNPW060324K0BEEA" FP-TNPW0603-e3-IPC_A 6866.67,3213.79 r180 top value=24k (schematic designator R18)